# Altium PCB PcbForControllerMPPT.PcbDoc (continued)
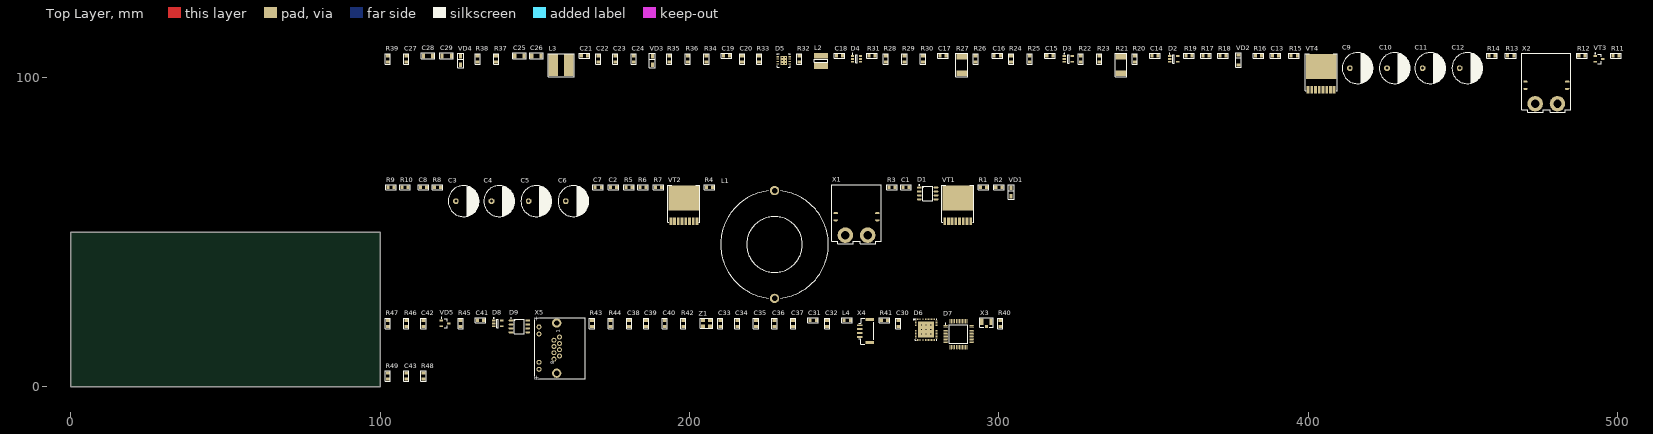
[diagram p0: Top Layer view]
## Footprints (in the part's own frame and the unit in brackets; to place one, negate y for a bottom-side part, rotate by r counter-clockwise, add the part's x,y. Pads: shape width x height; smd on the part's side, far side on the other; paste and mask are expansions set on the pad) (continued)
"RES: 0805" [mm]
  rect 1x1.25 smd: 1(-1,0) 2(1,0)
  silkscreen extent -1.7,-0.82 1.7,0.82, body extent -1,-0.6 1,0.6, height 0.44
"RES: CSS2H (2512)" [mm]
  rect 1.8x3.4 smd: 1(-2.7,0) 2(2.7,0)
  silkscreen extent -3.8,-1.9 3.8,1.9, body extent -3.17,-1.53 3.17,1.53, height 0.83
SOT23 [mm]
  rect 1.1x0.6 smd: 1(-1.2,0.95) 2(-1.2,-0.95) 3(1.2,0)
  round 0.5 on Mech1: ""(-0.9,1.1)
  silkscreen extent -1.32,-1.5 0.7,1.92, body extent -1.32,-1.52 1.32,1.52, height 1.12
SOT23-5 [mm] "pitch 0.95 mm"
  rect 1.1x0.6 smd: 1(-1.3,0.95) 2(-1.3,0) 3(-1.3,-0.95) 4(1.3,-0.95) 5(1.3,0.95)
  round 0.5 on Mech1: ""(-1.1,1.1)
  silkscreen extent -1.42,-1.4 0.25,1.82, body extent -1.5,-1.5 1.5,1.5, height 1.3
SOT23-6 [mm] "pitch 0.95 mm"
  rect 1.1x0.6 smd: 1(-1.3,0.95) 2(-1.3,0) 3(-1.3,-0.95) 4(1.3,-0.95) 5(1.3,0) 6(1.3,0.95)
  round 0.5 on Mech1: ""(-1,1.1)
  silkscreen extent -1.42,-1.3 0.25,1.82, body extent -1.4,-1.45 1.4,1.45, height 1.45

## Part data
C1: library part Ceramic_0805, Manufacturer=Samsung, Package=0805, PartNumber=CL21B474KAFNNNG, Temperature=-55...+125°C, Tolerance=±10%, TypeCapacitor="Ceramic capacitor", TypeDielectric=X7R, Voltage=25V, HelpURL=https://www.digikey.com/product-detail/en/samsung-electro-mechanics/CL21B474KAFNNNG/1276-6480-1-ND/5958108, ValueManufacturerPartNumber="Ceramic capacitor, 0.47μF, X7R, ±10%, 25V, 805, -55...+125°C"
C2 C20 C27 C36: library part Ceramic_0805, Manufacturer=Samsung, Package=0805, PartNumber=CL21B225KAFNFNE, Temperature=-55...+125°C, Tolerance=±10%, TypeCapacitor="Ceramic capacitor", TypeDielectric=X7R, Voltage=25V, HelpURL=https://www.digikey.com/product-detail/en/samsung-electro-mechanics/CL21B225KAFNFNE/1276-2953-1-ND/3891039, ValueManufacturerPartNumber="Ceramic capacitor, 2.2μF, X7R, ±10%, 25V, 805, -55...+125°C"
C3 C4 C5 C6: library part Aluminium, Manufacturer=Panasonic, Package="13x10x5 mm", PartNumber=35SEK330M, Temperature=-55...+105°C, Tolerance=±20%, TypeCapacitor="Solid polymer capacitor", Voltage=35V, HelpURL=https://www.digikey.com/product-detail/en/panasonic-electronic-components/35SEK330M/P122629-ND/8030545, Impedance=18mOhm, ValueManufacturerPartNumber="Solid polymer capacitor, 330μF, 35V, ±20%, 18mOhm, 13x10x5 mm, -55...+105°C"
C7: library part Ceramic_0805, Manufacturer=Samsung, Package=0805, PartNumber=CL21B105KBFNNNG, Temperature=-55...+125°C, Tolerance=±10%, TypeCapacitor="Ceramic capacitor", TypeDielectric=X7R, Voltage=50V, HelpURL=https://www.digikey.com/product-detail/en/samsung-electro-mechanics/CL21B105KBFNNNG/1276-6470-1-ND/5958098, ValueManufacturerPartNumber="Ceramic capacitor, 1μF, X7R, ±10%, 50V, 805, -55...+125°C"
C8 C13 C15 C17 C18 C19 C35 C43: library part Ceramic_0805, Manufacturer=Samsung, Package=0805, PartNumber=CL21B103KBANNNC, Temperature=-55...+125°C, Tolerance=±10%, TypeCapacitor="Ceramic capacitor", TypeDielectric=X7R, Voltage=50V, HelpURL=https://www.digikey.com/product-detail/en/samsung-electro-mechanics/CL21B103KBANNNC/1276-1015-1-ND/3889101, ValueManufacturerPartNumber="Ceramic capacitor, 0.01μF, X7R, ±10%, 50V, 805, -55...+125°C"
C9 C10 C11 C12: library part Aluminium, Manufacturer=Panasonic, Package="13x10x5 mm", PartNumber=63SXE68M, Temperature=-55...+105°C, Tolerance=±20%, TypeCapacitor="Solid polymer capacitor", Voltage=63V, HelpURL=https://www.digikey.com/products/en?keywords=63SXE68M, Impedance=25mOhm, ValueManufacturerPartNumber="Solid polymer capacitor, 68μF, 63V, ±20%, 25mOhm, 13x10x5 mm, -55...+105°C"
C14 C16: library part Ceramic_0805, Manufacturer=Samsung, Package=0805, PartNumber=CL21B471KBANNNC, Temperature=-55...+125°C, Tolerance=±10%, TypeCapacitor="Ceramic capacitor", TypeDielectric=X7R, Voltage=50V, HelpURL=https://www.digikey.com/product-detail/en/samsung-electro-mechanics/CL21B471KBANNNC/1276-1300-1-ND/3889386, ValueManufacturerPartNumber="Ceramic capacitor, 470pF, X7R, ±10%, 50V, 805, -55...+125°C"
C21 C22 C31: library part Ceramic_0805, Manufacturer=Samsung, Package=0805, PartNumber=CL21B106KQQNNNG, Temperature=-55...+125°C, Tolerance=±10%, TypeCapacitor="Ceramic capacitor", TypeDielectric=X7R, Voltage=6.3V, HelpURL=https://www.digikey.com/product-detail/en/samsung-electro-mechanics/CL21B106KQQNNNG/1276-6474-1-ND/5958102, ValueManufacturerPartNumber="Ceramic capacitor, 10μF, X7R, ±10%, 6.3V, 805, -55...+125°C"
C23 C24 C30 C32 C33 C34 C37 C38 C41 C42: library part Ceramic_0805, Manufacturer=Samsung, Package=0805, PartNumber=CL21B104KBCNFNC, Temperature=-55...+125°C, Tolerance=±10%, TypeCapacitor="Ceramic capacitor", TypeDielectric=X7R, Voltage=50V, HelpURL=https://www.digikey.com/product-detail/en/samsung-electro-mechanics/CL21B104KBCNFNC/1276-2444-1-ND/3890530, ValueManufacturerPartNumber="Ceramic capacitor, 0.1μF, X7R, ±10%, 50V, 805, -55...+125°C"
C25 C26: library part Ceramic_1206, Manufacturer=Samsung, Package=1206, PartNumber=CL31B105KCHSNNE, Temperature=-55...+125°C, Tolerance=±10%, TypeCapacitor="Ceramic capacitor", TypeDielectric=X7R, Voltage=100V, HelpURL=https://www.digikey.com/product-detail/en/samsung-electro-mechanics/CL31B105KCHSNNE/1276-2747-1-ND/3890833, ValueManufacturerPartNumber="Ceramic capacitor, 1μF, X7R, ±10%, 100V, 1206, -55...+125°C"
C28 C29: library part Ceramic_1206, Manufacturer=Samsung, Package=1206, PartNumber=CL31B106KAHNNNE, Temperature=-55...+125°C, Tolerance=±10%, TypeCapacitor="Ceramic capacitor", TypeDielectric=X7R, Voltage=25V, HelpURL=https://www.digikey.com/product-detail/en/samsung-electro-mechanics/CL31B106KAHNNNE/1276-1804-1-ND/3889890, ValueManufacturerPartNumber="Ceramic capacitor, 10μF, X7R, ±10%, 25V, 1206, -55...+125°C"
C39 C40: library part Ceramic_0805, Manufacturer=Samsung, Package=0805, PartNumber=CL21C120JBANNNC, Temperature=-55...+125°C, Tolerance=±5%, TypeCapacitor="Ceramic capacitor", TypeDielectric=NPO, Voltage=50V, HelpURL=https://www.digikey.com/product-detail/en/samsung-electro-mechanics/CL21C120JBANNNC/1276-1120-1-ND/3889206, ValueManufacturerPartNumber="Ceramic capacitor, 12pF, NPO, ±5%, 50V, 805, -55...+125°C"
D1: library part NCP5183DR2G, "Gate driver", CurrentOutput=±4.3A, Frequency=500kHz, Manufacturer="ON Semiconductor", Package=8-SOIC, Temperature=-40...+125°C, VoltageSupply="supply 9...18V", VoltageWork=600V, ComponentType="Half-bridge gate driver", HelpURL=https://www.digikey.com/product-detail/en/on-semiconductor/NCP5183DR2G/NCP5183DR2GOSCT-ND/7066807, PartNumber=NCP5183DR2G, ValueManufacturerPartNumber="Half-bridge gate driver, 600V, 500kHz, ±4.3A, supply 9...18V, -40...+125°C, 8-SOIC"
D2 D3: library part TSV991ILT, "OP amplifier", Manufacturer=STMicroelectronics, Package=SOT23-5, Temperature=-40...+125°C, ComponentType="IC op amplifier", GainBandwidth="20 MHz", HelpURL=https://www.digikey.com/product-detail/en/stmicroelectronics/TSV991ILT/497-6001-1-ND/1578484, OutputType=Rail-to-Rail, PartNumber=TSV991ILT, Supply=2.7...5.5V, ValueManufacturerPartNumber="IC op amplifier, Rail-to-Rail, 20 MHz, 2.7...5.5V, -40...+125°C, SOT23-5"
D4: library part AP3211KTR-G1, "Buck converter", CurrentOutput=1.5A, Frequency=1.4MHz, Manufacturer="Diodes Incorporated", Package=SOT23-6, Temperature=-40...+85°C, VoltageInput="input 4.5...18V", VoltageOutput="output 0.81...15V", ComponentType="DC/DC buck converter", HelpURL=https://www.digikey.com/product-detail/en/diodes-incorporated/AP3211KTR-G1/AP3211KTR-G1DICT-ND/4505305, PartNumber=AP3211KTR-G1, ValueManufacturerPartNumber="DC/DC buck converter, input 4.5...18V, 1.4MHz, output 0.81...15V, 1.5A, -40...+85°C, SOT23-6"
D5: library part LM5017SD, "Buck converter", CurrentOutput=0.6A, Frequency=1MHz, Manufacturer="Texas Instruments", Package=8-WSON, PartNumber=LM5017SD/NOPB, Temperature=-40...+125°C, VoltageInput="input 7.5...100V", VoltageOutput="output 1.225...90V", ComponentType="DC/DC buck converter", HelpURL=https://www.digikey.com/product-detail/en/texas-instruments/LM5017SD-NOPB/LM5017SD-NOPBCT-ND/3137455, ValueManufacturerPartNumber="DC/DC buck converter, input 7.5...100V, 1MHz, output 1.225...90V, 0.6A, -40...+125°C, 8-WSON"
D6: library part ESP32-PICO-D4, "Wi-Fi+BT", Frequency=2.4GHz, Manufacturer="Espressif Systems", Package=48-LGA, Temperature=-40...+85°C, ComponentType="IC RF transceiver", CoreProcessor="Xtensa LX6", CoreSize=32-Bit, CoreSpeed="600 DMIPS", HelpURL=https://www.digikey.com/product-detail/en/espressif-systems/ESP32-PICO-D4/1904-1029-1-ND/9381738, MemoryRAM=520KB, MemoryROM=4Mb, PartNumber=ESP32-PICO-D4, Supply=2.7...3.6V, TypeProtocol="802.11b/g/n + Bluetooth v4.2", ValueManufacturerPartNumber="IC RF transceiver, 802.11b/g/n + Bluetooth v4.2, 2.4GHz, 32-Bit, Xtensa LX6, 4Mb, 520KB, 2.7...3.6V, -40...+85°C, 48-LGA"
D7: library part STM32F334C4T6, "Cortex-M4", Manufacturer=STMicroelectronics, Package=48-LQFP, Temperature=-40...+85°C, ComponentType="IC microcontroller", CoreProcessor=Cortex-M4, CoreSize=32-Bit, HelpURL=https://www.digikey.com/products/en?keywords=STM32F334C4T6, MemoryRAM=12KB, MemoryROM=16KB, PartNumber=STM32F334C4T6, Speed=72MHz, Supply=2...3.6V, ValueManufacturerPartNumber="IC microcontroller, 32-Bit, Cortex-M4, 72MHz, 16KB, 12KB, 2...3.6V, -40...+85°C, 48-LQFP"
D8: library part 24AA01T, "EEPROM", Manufacturer="Microchip Technology", Package=SOT-23-5, PartNumber=24AA01T-I/OT, Temperature=-40...+85°C, ComponentType="IC memory", HelpURL=https://www.digikey.com/product-detail/en/microchip-technology/24AA01T-I-OT/24AA01T-I-OTCT-ND/857670, InterfaceData=I2C, MemorySize="1KB (128x8)", MemoryType=EEPROM, Speed="400 kHz", Supply=1.7...5.5V, ValueManufacturerPartNumber="IC memory, EEPROM, 1KB (128x8), 400 kHz, I2C, 1.7...5.5V, -40...+85°C, SOT-23-5"
D9: library part SN65HVD231DR, "CAN", Manufacturer="Texas Instruments", Package=8-SOIC, Temperature=-40...+85°C, ComponentType="IC CAN transceiver", DataRate=1Mbps, HelpURL=https://www.digikey.com/product-detail/en/texas-instruments/SN65HVD231DR/296-26343-1-ND/2254977, PartNumber=SN65HVD231DR, Supply=3...3.6V, TypeDuplex=Half-duplex, ValueManufacturerPartNumber="IC CAN transceiver, 1Mbps, Half-duplex, 3...3.6V, -40...+85°C, 8-SOIC"
L1: library part Inductor_R32.8/20.1/10.7, Manufacturer=Magnetics, Package=R32.8/20.1/10.7, PartNumber=0077548A7, Tolerance=±10%, TypeInductor="Fixed inductor", ValueManufacturerPartNumber="Fixed inductor, 40μH, ±10%, R32.8/20.1/10.7, Kool Mu, µ=125, 127 нГн/витков2", AL="127 нГн/витков2", HelpURL=http://ferrite.ru/warehouse/r-32-820-110-7-77548-a7.html, MaterialPermeability=µ=125, TypeMatiriel="Kool Mu"
L2: library part Inductor_SDR0403, Manufacturer=Bourns, MaxCurrent=1.7A, Package=SDR0403, PartNumber=SDR0403-4R7ML, Temperature=-40...+125°C, Tolerance=±20%, TypeInductor="Fixed inductor", HelpURL=https://www.digikey.com/product-detail/en/bourns-inc/SDR0403-4R7ML/SDR0403-4R7MLCT-ND/2127096, ValueManufacturerPartNumber="Fixed inductor, 4.7μH, ±20%, SDR0403, 1.7A, -40...+125°C"
L3: library part Inductor_SDR0805, Manufacturer=Bourns, MaxCurrent=490mA, Package=SDR0805, PartNumber=SDR0805-221KL, Temperature=-40...+125°C, Tolerance=±10%, TypeInductor="Fixed inductor", HelpURL=https://www.digikey.com/product-detail/en/bourns-inc/SDR0805-221KL/SDR0805-221KLCT-ND/2127164, ValueManufacturerPartNumber="Fixed inductor, 220μH, ±10%, SDR0805, 490mA, -40...+125°C"
L4: library part Inductor_0805, Manufacturer="Murata Electronics", MaxCurrent=250mA, Package=0805, PartNumber=LQM21DH100M70L, Temperature=-55...+125°C, Tolerance=±20%, TypeInductor="Fixed inductor", HelpURL=https://www.digikey.com/product-detail/en/murata-electronics/LQM21DH100M70L/490-18463-1-ND/10135474, ValueManufacturerPartNumber="Fixed inductor, 10μH, ±20%, 805, 250mA, -55...+125°C"
R1 R2 R4: library part Resistor_0805, Manufacturer=Yageo, Package=0805, PartNumber=RC0805JR-072R4L, Power=0.125W, Temperature=-55...+125°C, Tolerance=±5%, TypeResistor="Resistor film", HelpURL=https://www.digikey.com/product-detail/en/yageo/RC0805JR-072R4L/311-2.4ARCT-ND/731220, ValueManufacturerPartNumber="Resistor film, 2R4, ±5%, 805, 0.125W, -55...+125°C"
R3 R5 R6 R8 R12 R14 R32 R40 R41 R42: library part Resistor_0805, Manufacturer=Yageo, Package=0805, PartNumber=RC0805JR-0710KL, Power=0.125W, Temperature=-55...+125°C, Tolerance=±5%, TypeResistor="Resistor film", HelpURL=https://www.digikey.com/product-detail/en/yageo/RC0805JR-0710KL/311-10KARCT-ND/731188, ValueManufacturerPartNumber="Resistor film, 10k, ±5%, 805, 0.125W, -55...+125°C"
R7 R13: library part Resistor_0805, Manufacturer=Yageo, Package=0805, PartNumber=RC0805FR-07100KL, Power=0.125W, Temperature=-55...+125°C, Tolerance=±1%, TypeResistor="Resistor film", HelpURL=https://www.digikey.com/product-detail/en/yageo/RC0805FR-07100KL/311-100KCRCT-ND/730491, ValueManufacturerPartNumber="Resistor film, 100k, ±1%, 805, 0.125W, -55...+125°C"
R9 R10: library part Resistor_0805, Manufacturer=Yageo, Package=0805, PartNumber=RC0805FR-0724KL, Power=0.125W, Temperature=-55...+125°C, Tolerance=±1%, TypeResistor="Resistor film", HelpURL=https://www.digikey.com/product-detail/en/yageo/RC0805FR-0724KL/311-24.0KCRCT-ND/730703, ValueManufacturerPartNumber="Resistor film, 24k, ±1%, 805, 0.125W, -55...+125°C"
R11: library part Resistor_0805, Manufacturer=Yageo, Package=0805, PartNumber=RC0805JR-07150RL, Power=0.125W, Temperature=-55...+125°C, Tolerance=±5%, TypeResistor="Resistor film", HelpURL=https://www.digikey.com/product-detail/en/yageo/RC0805JR-07150RL/311-150ARCT-ND/731202, ValueManufacturerPartNumber="Resistor film, 150R, ±5%, 805, 0.125W, -55...+125°C"
R15 R19 R30 R31: library part Resistor_0805, Manufacturer=Yageo, Package=0805, PartNumber=RC0805FR-0775KL, Power=0.125W, Temperature=-55...+125°C, Tolerance=±1%, TypeResistor="Resistor film", HelpURL=https://www.digikey.com/product-detail/en/yageo/RC0805FR-0775KL/311-75.0KCRCT-ND/731080, ValueManufacturerPartNumber="Resistor film, 75k, ±1%, 805, 0.125W, -55...+125°C"
R16 R49: library part Resistor_0805, Manufacturer=Yageo, Package=0805, PartNumber=RC0805FR-075K1L, Power=0.125W, Temperature=-55...+125°C, Tolerance=±1%, TypeResistor="Resistor film", HelpURL=https://www.digikey.com/product-detail/en/yageo/RC0805FR-075K1L/311-5.10KCRCT-ND/730935, ValueManufacturerPartNumber="Resistor film, 5k1, ±1%, 805, 0.125W, -55...+125°C"
R17 R18 R22 R23 R24 R25 R28 R29: library part Resistor_0805, Manufacturer=Yageo, Package=0805, PartNumber=RC0805FR-071KL, Power=0.125W, Temperature=-55...+125°C, Tolerance=±1%, TypeResistor="Resistor film", HelpURL=https://www.digikey.com/product-detail/en/yageo/RC0805FR-071KL/311-1.00KCRCT-ND/730391, ValueManufacturerPartNumber="Resistor film, 1k, ±1%, 805, 0.125W, -55...+125°C"
R20 R26 R45 R46 R47: library part Resistor_0805, Manufacturer=Yageo, Package=0805, PartNumber=RC0805JR-07120RL, Power=0.125W, Temperature=-55...+125°C, Tolerance=±5%, TypeResistor="Resistor film", HelpURL=https://www.digikey.com/product-detail/en/yageo/RC0805JR-07120RL/311-120ARCT-ND/731194, ValueManufacturerPartNumber="Resistor film, 120R, ±5%, 805, 0.125W, -55...+125°C"
R21 R27: library part Shunt, Manufacturer=Bourns, Package=2512, PartNumber=CRE2512-FZ-R004E-3, Power=5W, Temperature=-55...+170°C, Tolerance=±1%, TypeResistor="Resistor film", HelpURL=https://www.digikey.com/product-detail/en/bourns-inc/CRE2512-FZ-R004E-3/CRE2512-FZ-R004E-3DKR-ND/4900078, ValueManufacturerPartNumber="Resistor film, 0R004, ±1%, 2512, 5W, -55...+170°C"
R33: library part Resistor_0805, Manufacturer=Yageo, Package=0805, PartNumber=RC0805FR-0730K9L, Power=0.125W, Temperature=-55...+125°C, Tolerance=±1%, TypeResistor="Resistor film", HelpURL=https://www.digikey.com/product-detail/en/yageo/RC0805FR-0730K9L/311-30.9KCRCT-ND/730794, ValueManufacturerPartNumber="Resistor film, 30k9, ±1%, 805, 0.125W, -55...+125°C"
R34: library part Resistor_0805, Manufacturer=Yageo, Package=0805, PartNumber=RC0805FR-07499KL, Power=0.125W, Temperature=-55...+125°C, Tolerance=±1%, TypeResistor="Resistor film", HelpURL=https://www.digikey.com/product-detail/en/yageo/RC0805FR-07499KL/311-499KCRCT-ND/730934, ValueManufacturerPartNumber="Resistor film, 499k, ±1%, 805, 0.125W, -55...+125°C"
R35: library part Resistor_0805, Manufacturer=Yageo, Package=0805, PartNumber=RC0805FR-0791KL, Power=0.125W, Temperature=-55...+125°C, Tolerance=±1%, TypeResistor="Resistor film", HelpURL=https://www.digikey.com/product-detail/en/yageo/RC0805FR-0791KL/311-91.0KCRCT-ND/731149, ValueManufacturerPartNumber="Resistor film, 91k, ±1%, 805, 0.125W, -55...+125°C"
R36 R38 R39: library part Resistor_0805, Manufacturer=Yageo, Package=0805, PartNumber=RC0805FR-0710KL, Power=0.125W, Temperature=-55...+125°C, Tolerance=±1%, TypeResistor="Resistor film", HelpURL=https://www.digikey.com/product-detail/en/yageo/RC0805FR-0710KL/311-10.0KCRCT-ND/730482, ValueManufacturerPartNumber="Resistor film, 10k, ±1%, 805, 0.125W, -55...+125°C"
R37: library part Resistor_0805, Manufacturer=Yageo, Package=0805, PartNumber=RC0805FR-0788K7L, Power=0.125W, Temperature=-55...+125°C, Tolerance=±1%, TypeResistor="Resistor film", HelpURL=https://www.digikey.com/product-detail/en/yageo/RC0805FR-0788K7L/311-88.7KCRCT-ND/731128, ValueManufacturerPartNumber="Resistor film, 88k7, ±1%, 805, 0.125W, -55...+125°C"
R43 R44: library part Resistor_0805, Manufacturer=Yageo, Package=0805, PartNumber=RC0805JR-072K2L, Power=0.125W, Temperature=-55...+125°C, Tolerance=±5%, TypeResistor="Resistor film", HelpURL=https://www.digikey.com/product-detail/en/yageo/RC0805JR-072K2L/311-2.2KARCT-ND/731218, ValueManufacturerPartNumber="Resistor film, 2k2, ±5%, 805, 0.125W, -55...+125°C"
R48: library part NTC, Manufacturer=TDK, MaxCurrent=3650K, Package=0805, PartNumber=B57401V2472J062, Temperature=-55...+125°C, Tolerance=±5%, TypeResistor="NTC resistor", HelpURL=https://www.digikey.com/product-detail/en/tdk-electronics-inc/B57401V2472J062/495-7444-1-ND/6073136, ValueManufacturerPartNumber="NTC resistor, 4k7, ±5%, 805, 3650K, -55...+125°C"
VD1 VD3 VD4: library part Schottky_single, Current=2A, Manufacturer="ON Semiconductor", Package=SOD-123F, PartNumber=MBR2H100SFT3G, Temperature=-55...+150°C, Voltage=100V, VoltageDrop=840mV, HelpURL=https://www.digikey.com/product-detail/en/on-semiconductor/MBR2H100SFT3G/MBR2H100SFT3GOSCT-ND/3462288, RecoveryTime=15pF, TypeDiode="Schottky diode", ValueManufacturerPartNumber="Schottky diode, 100V, 2A, 840mV, 15pF, SOD-123F, -55...+150°C"
VD2: library part Zener_single, Current=500mW, Manufacturer="ON Semiconductor", Package=SOD-123, PartNumber=MMSZ5245BT1G, Temperature=-55...+150°C, Voltage=16V, VoltageDrop=0.9V, HelpURL=https://www.digikey.com/product-detail/en/on-semiconductor/MMSZ5245BT1G/MMSZ5245BT1GOSCT-ND/1139899, RecoveryTime=16Ohm, TypeDiode="Zener diode", ValueManufacturerPartNumber="Zener diode, 16V, 500mW, 0.9V, 16Ohm, SOD-123, -55...+150°C"
VD5: library part TVS_array, Current="230W peak", Manufacturer=STMicroelectronics, Package=SOT-23, PartNumber=ESDCAN06-2BLY, Temperature=-40...+150°C, Voltage=24V, VoltageDrop=3A, HelpURL=https://www.digikey.com/product-detail/en/stmicroelectronics/ESDCAN06-2BLY/497-19090-1-ND/10057130, RecoveryTime=13pF, TypeDiode="TVS diode", ValueManufacturerPartNumber="TVS diode, 24V, 230W peak, 3A, 13pF, SOT-23, -40...+150°C"
VT1 VT2 VT4: library part MOSFET_N_123, CurrentDS=150A, InputCapacitor=6110pF, Manufacturer="Infineon Technologies", MaxPower=166W, Package=8-HSOF, PartNumber=IAUT150N10S5N035ATMA1, Temperature=-55...+175°C, VoltageDS=100V, GateCharge=87nC, HelpURL=https://www.digikey.com/product-detail/en/infineon-technologies/IAUT150N10S5N035ATMA1/IAUT150N10S5N035ATMA1CT-ND/8818779, RDS=3.5mOhm, TypeTransistor="MOSFET N-channel transistor", ValueManufacturerPartNumber="MOSFET N-channel transistor, 100V, 150A, 87nC, 166W, 3.5mOhm, 6110pF, 8-HSOF, -55...+175°C"
VT3: library part MOSFET_N_132, CurrentDS=5.3A, InputCapacitor=382pF, Manufacturer="Infineon Technologies", MaxPower=1.3W, Package=SOT-23, PartNumber=IRLML0030TRPBF, Temperature=-55...+150°C, VoltageDS=30V, GateCharge=2.6nC, HelpURL=https://www.digikey.com/product-detail/en/infineon-technologies/IRLML0030TRPBF/IRLML0030TRPBFCT-ND/2202231, RDS=27mOhm, TypeTransistor="MOSFET N-channel transistor", ValueManufacturerPartNumber="MOSFET N-channel transistor, 30V, 5.3A, 2.6nC, 1.3W, 27mOhm, 382pF, SOT-23, -55...+150°C"
X1 X2: library part Connector_XT_2pin, CurrentMax=60A, Manufacturer=AMASS, PartNumber=XT60PW-M, VoltageMax=500V, CommentText="\"Разъем\"", HelpURL=https://lcsc.com/product-detail/Connectors_Changzhou-Amass-Elec-XT60PW-M_C98732.html, Multichannel=2pin, Pitch=7.2mm, TypeConnector="Power connector", ValueManufacturerPartNumber="Power connector, 2pin, 7.2mm, 500V, 60A"
X3: library part Connector_uFL, Frequency=6GHz, Manufacturer="Hirose Electric", PartNumber=U.FL-R-SMT(01), CommentText="\"Wi-Fi\"", HelpURL=https://www.digikey.com/product-detail/en/hirose-electric-co-ltd/U.FL-R-SMT-01/H9161-ND/513010, Impedance="50 Ohm", TypeConnector="Connector u.FL", ValueManufacturerPartNumber="Connector u.FL, 50 Ohm, 6GHz"
X4: library part Connector_SM04B, CurrentMax=1A, Manufacturer=JST, PartNumber=SM04B-GHS, VoltageMax=50VDC, CommentText="\"SWD\"", HelpURL=https://www.digikey.com/product-detail/en/jst-sales-america-inc/SM04B-GHS-TB-LF-SN/455-1566-1-ND/807834, Multichannel=4pin, Pitch=1.25mm, TypeConnector=Connector, ValueManufacturerPartNumber="Connector, 4pin, 1.25mm, 50VDC, 1A"
X5: library part Connector_RJ45, Manufacturer=Wurth, PartNumber=615008137421, AnalogComponent="DS1128-09-S8B8S (Connfly)", CommentText="\"Ethernet RJ-45\"", HelpURL=https://www.digikey.com/product-detail/en/w-rth-elektronik/615008137421/732-2112-ND/2060608, TypeConnector="Etherner RJ-45 connector", ValueManufacturerPartNumber="Etherner RJ-45 connector"
Z1: library part Crystal_3225, Frequency=8MHz, LoadCapacitance=12pF, Manufacturer=ECS, Package="case 3225", PartNumber=ECS-80-12-33-JGN-TR, Temperature=-40...+85°C, Tolerance=±30ppm, HelpURL=https://www.digikey.com/product-detail/en/ecs-inc/ECS-80-12-33-JGN-TR/50-ECS-80-12-33-JGN-CT-ND/10478769, TypeOscilator=Crystal, ValueManufacturerPartNumber="Crystal, 8MHz, 12pF, ±30ppm, case 3225, -40...+85°C"

## Nets (pads, with @x,y where several pads share a name; then routed paths per layer and width w, separated by ;. In a path a pad name is that pad's centre, name@x,y a point inside that pad or via, vN(x,y) a via of type N, cw(c..) or ccw(c..) an arc to the next point about the centre after c; other vN are vias at no path point)
+3.3V: C21.2 C22.2 C23.2 C24.2 C31.2 C32.2 C33.2 C34.2 C41.2 C42.2 D2.5 D3.5 D6.1 D6.3 D6.4 D6.19 D6.26 D6.37 D6.43 D6.46 D7.1 D7.24 D7.36 D7.48 D8.4 D9.3 L2.1 R33.1 R40.2 R41.2 R43.2 R44.2 R48.2 X4.1
+3.3VA: C37.2 L4.1
+12V: C2.2 D1.5 R1.2
+VIN: C9.1 C10.1 C11.1 C12.1 R13.2 R14.2 VT1.2 X2.1
+VOUT: C3.1 C4.1 C5.1 C6.1 C7.2 L1.1 R7.2 X1.1
CAN-RX: D7.32 D9.4
CAN-TX: D7.33 D9.1
GND: C2.1 C3.2 C4.2 C5.2 C6.2 C7.1 C8.1 C9.2 C10.2 C11.2 C12.2 C13.1 C15.1 C17.1 C20.1 C21.1 C22.1 C23.1 C24.1 C25.1 C26.1 C27.1 C28.1 C29.1 C30.1 C31.1 C32.1 C33.1 C34.1 C35.1 C36.1 C37.1 C38.1 C39.1 C40.1 C41.1 C42.1 C43.1 D1.3 D2.2 D3.2 D4.2 D5.0 D5.1 D6.0 D7.8 D7.23 D7.35 D7.47 D8.2 D8.5 D9.2 D9.8 R5.1 R6.1 R8.1 R9.1 R12.1 R15.2 R16.1 R19.2 R21.1 R25.1 R27.1 R28.2 R36.1 R38.1 R39.1 R42.1 R49.1 VD3.1 VD5.3 VT2.3 VT3.2 X3.2 X4.4 X5.3 X5.4 X5.7 X5.8 X5.10 X5.11 Z1.2 Z1.4
I2C1-SCL: D7.45 D8.1 R43.1
I2C1-SDA: D7.46 D8.3 R44.1
LED-FAULT: D7.22 R47.2
LED-STATUS: D7.21 R46.2
NetC1_1: C1.1 D1.6 L1.2 R3.1 VT1.3 VT2.2
NetC1_2: C1.2 D1.8 VD1.2
NetC8_2: C8.2 D7.12 R7.1 R9.2 R10.2
NetC13_2: C13.2 D7.10 R13.1 R16.2
NetC14_1: C14.1 R24.1 R25.2
NetC14_2: C14.2 R17.1 R18.2
NetC15_2: C15.2 D7.13 D7.17 R20.2
NetC16_1: C16.1 R28.1 R29.2
NetC16_2: C16.2 R22.1 R23.2
NetC17_2: C17.2 D7.11 D7.18 R26.1
NetC18_1: C18.1 D4.6 L2.2 VD3.2
NetC18_2: C18.2 D4.1
NetC19_1: C19.1 D5.8 L3.2
NetC19_2: C19.2 D5.7
NetC27_2: C27.2 D5.6 VD4.2
NetC30_2: C30.2 D6.9 R40.1
NetC35_2: C35.2 C36.2 D7.9 L4.2
NetC38_2: C38.2 D7.7 R41.1
NetC39_2: C39.2 D7.5 Z1.1
NetC40_2: C40.2 D7.6 Z1.3
NetC43_2: C43.2 D7.14 R48.1 R49.2
NetD1_1: D1.1 D7.29 R5.2
NetD1_2: D1.2 D7.30 R6.2
NetD1_4: D1.4 R4.2
NetD1_7: D1.7 R2.2
NetD2_1: D2.1 R20.1 R30.2
NetD2_3: D2.3 R15.1 R17.2
NetD2_4: D2.4 R24.2 R30.1
NetD3_1: D3.1 R26.2 R31.1
NetD3_3: D3.3 R19.1 R23.1
NetD3_4: D3.4 R29.1 R31.2
NetD4_3: D4.3 R33.2 R36.2
NetD4_4: D4.4 R32.1
NetD5_3: D5.3 R35.1 R38.2
NetD5_4: D5.4 R34.1
NetD5_5: D5.5 R37.2 R39.2
NetD6_2: D6.2 X3.1
NetD7_27: D7.27 R11.1
NetD7_34: D7.34 X4.2
NetD7_37: D7.37 X4.3
NetD7_44: D7.44 R42.2
NetD9_6: D9.6 R45.2 VD5.2 X5.2
NetD9_7: D9.7 R45.1 VD5.1 X5.1
NetR1_1: R1.1 VD1.1
NetR2_1: R2.1 R3.2 VT1.1
NetR4_1: R4.1 R8.2 VT2.1
NetR10_1: R10.1 VT3.3
NetR11_2: R11.2 R12.2 VT3.1
NetR14_1: R14.1 VD2.2 VT4.1
NetR18_1: R18.1 R21.2 X1.2
NetR22_2: R22.2 R27.2 VD2.1 VT4.3
NetR46_1: R46.1 X5.9
NetR47_1: R47.1 X5.12
NetVT4_2: VT4.2 X2.2
UART2-RX-WIFI: D6.41
UART2-TX-WIFI: D6.40
UART-RX-DEBUG: D7.40 X5.6
UART-RX-WIFI: D7.43
UART-TX-DEBUG: D7.39 X5.5
UART-TX-WIFI: D7.42
VCC12V: C20.2 C28.2 C29.2 D4.5 L3.1 R32.2 R37.1 VD4.1
VIN: C25.2 C26.2 D5.2 R34.2 R35.2
pads on no net: D1.28 D2. D3. D4. D5. D6. D6.5 D6.6 D6.7 D6.8 D6.10 D6.11 D6.12 D6.13 D6.14 D6.15 D6.16 D6.17 D6.18 D6.20 D6.21 D6.22 D6.23 D6.24 D6.25 D6.27 D6.28 D6.29 D6.30 D6.31 D6.32 D6.33 D6.34 D6.35 D6.36 D6.38 D6.39 D6.42 D6.44 D6.45 D6.47 D6.48 D7. D7.2 D7.3 D7.4 D7.15 D7.16 D7.19 D7.20 D7.25 D7.26 D7.28 D7.31 D7.38 D7.41 D8. D9.5 D9.28 VD5. VT3. X1.MH X2.MH X4. X4.0 X5.MH Z1.

## Silkscreen, mask and mechanical layers (free items; w line width, h text height)
Border:
  the board outline again, w0.2

## Dimensions
0,0 to 0,50 on Size
0,50 to 100,50 on Size

## Text inside footprints (layer, text, board x,y; h text height)
X5: Top Overlay "+" at 151.831,3.8 h2.5 r90; Top Overlay "+" at 151.831,21.2 h2.5 r90; Top Overlay "8" at 156.699,7.2 h2 r90; Top Overlay "1" at 158.499,17.4 h2 r90